# Altium PCB 891-萱250721-1.pcbdoc (part 1 of 5)
Units mil, origin at the board's own origin, x right, y up, seen from the top; angles counter-clockwise.
Board outline 6501 x 4678 mil, 4 copper layers (TopLayer, MidLayer1, MidLayer2, BottomLayer); 362 components, 337 nets, 1348 pads, 1372 vias.
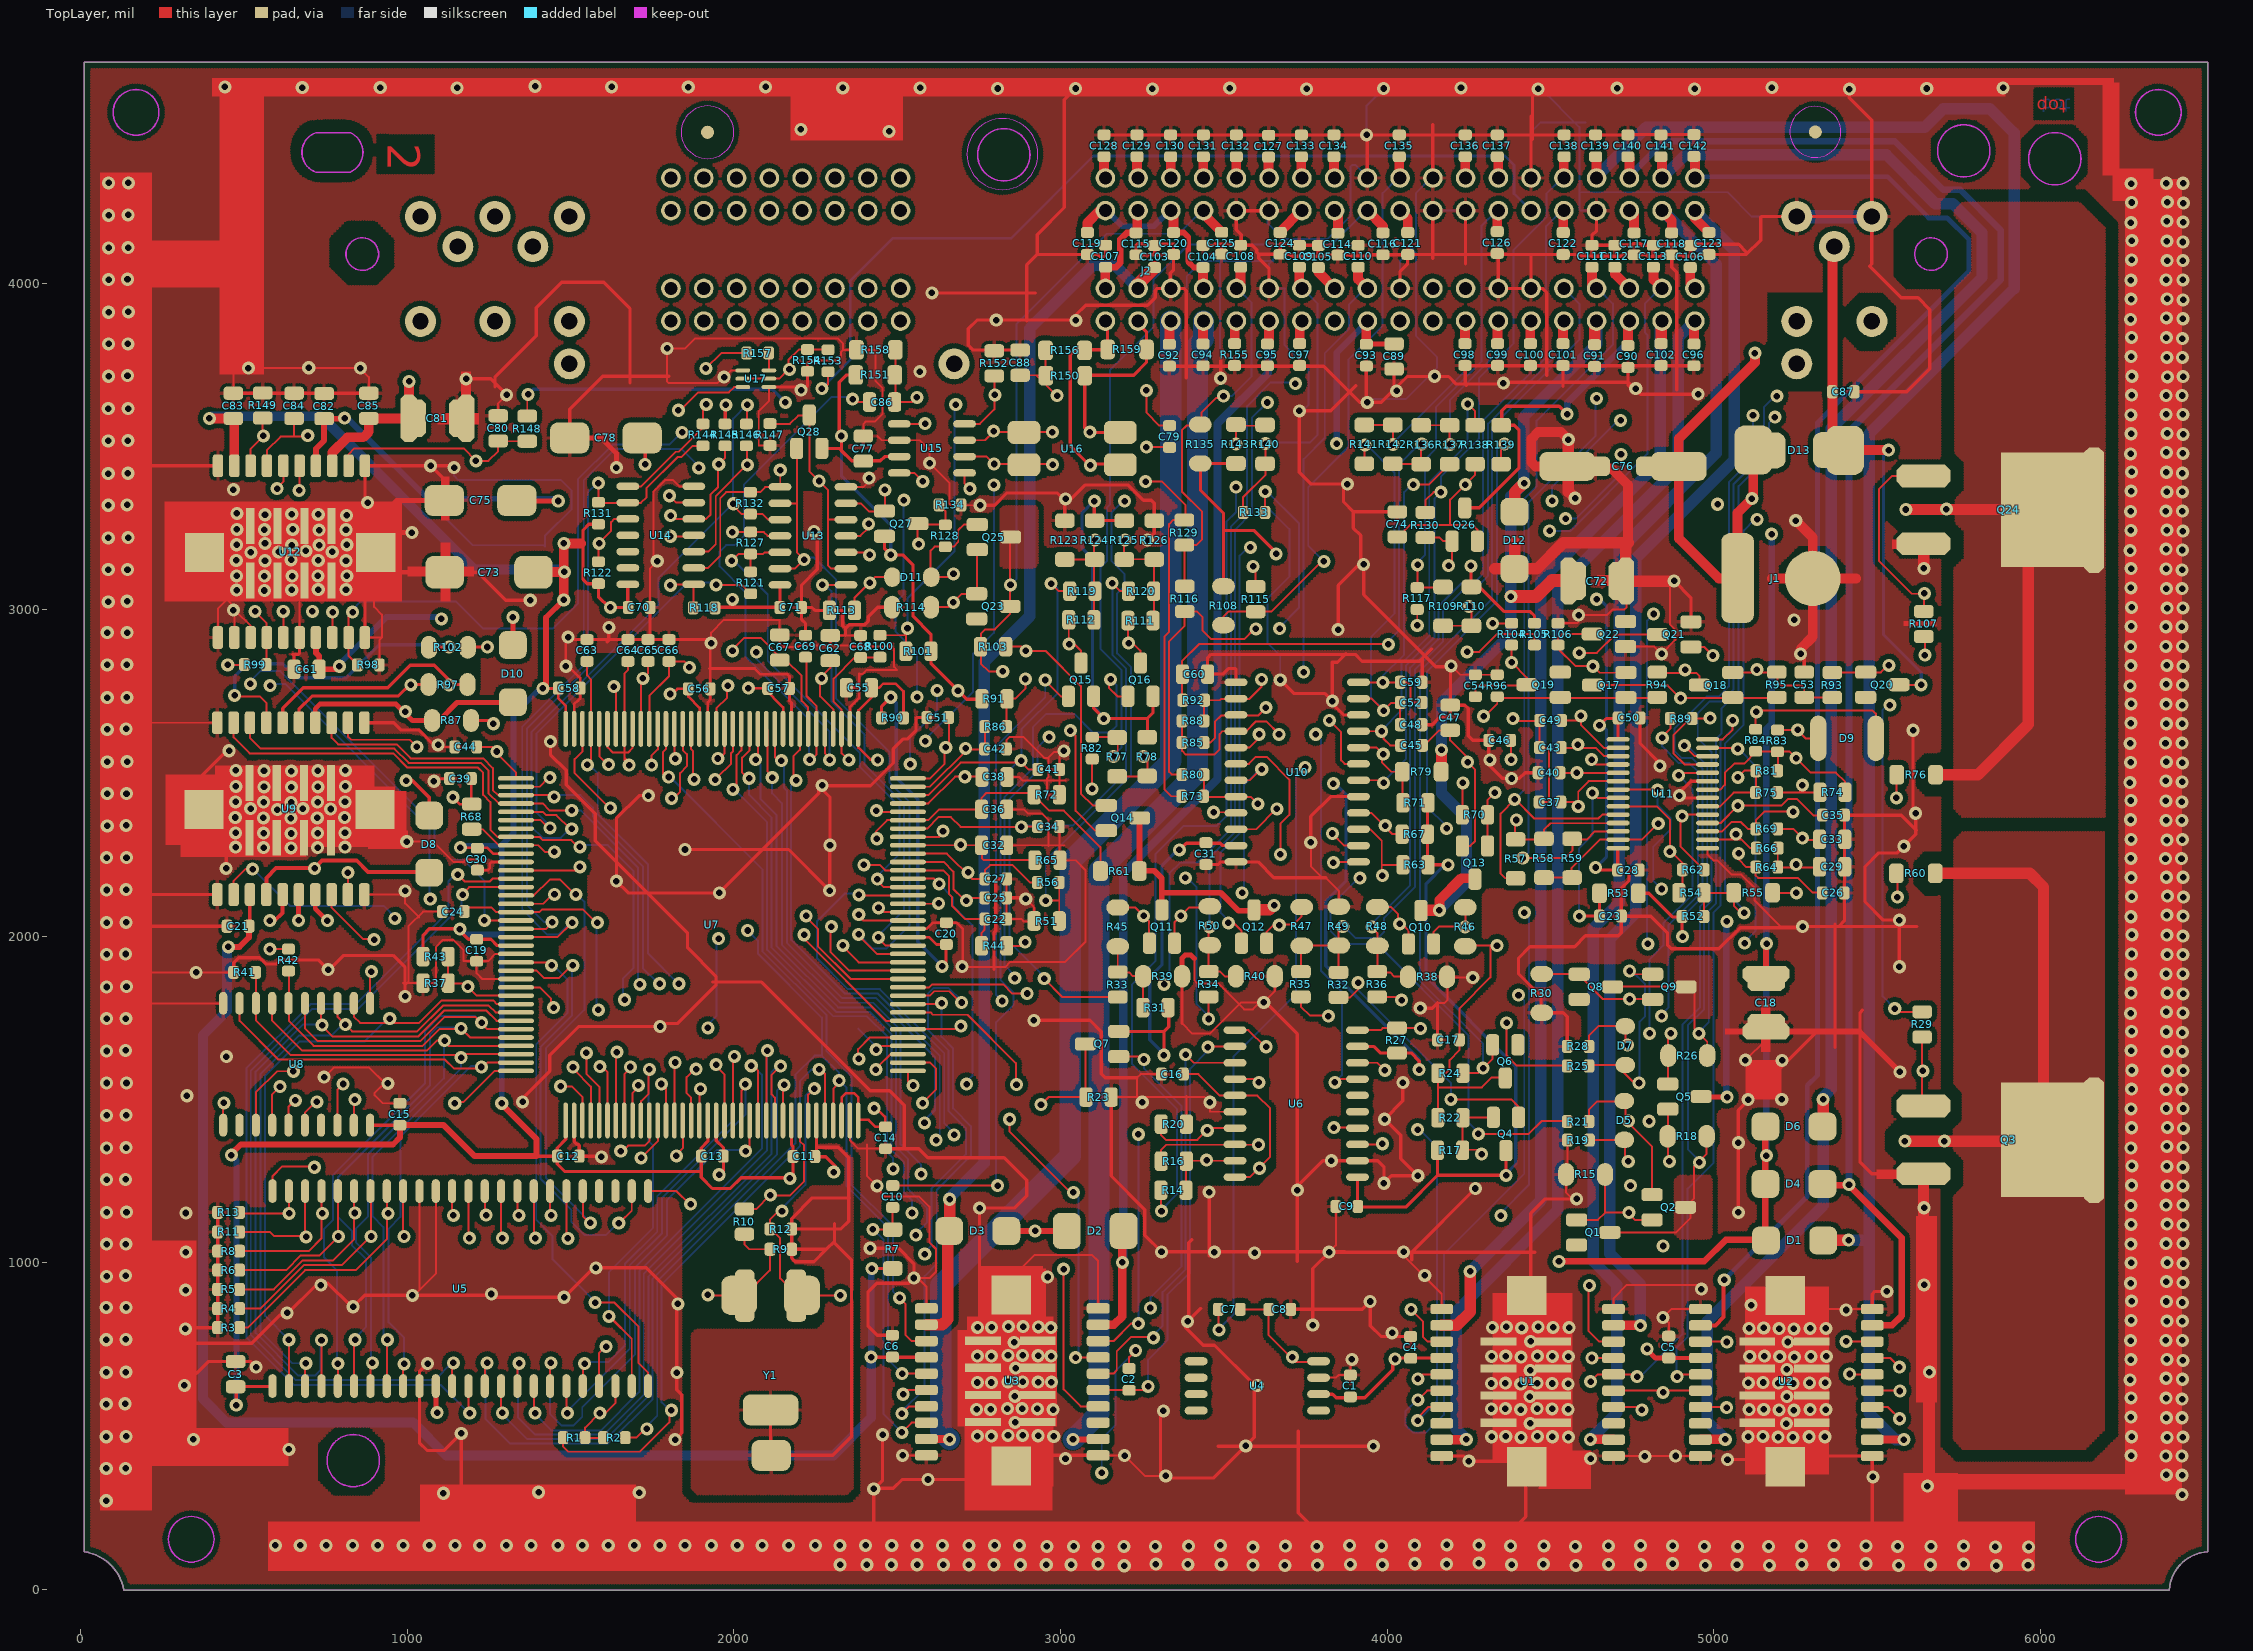
[diagram p0: TopLayer view]
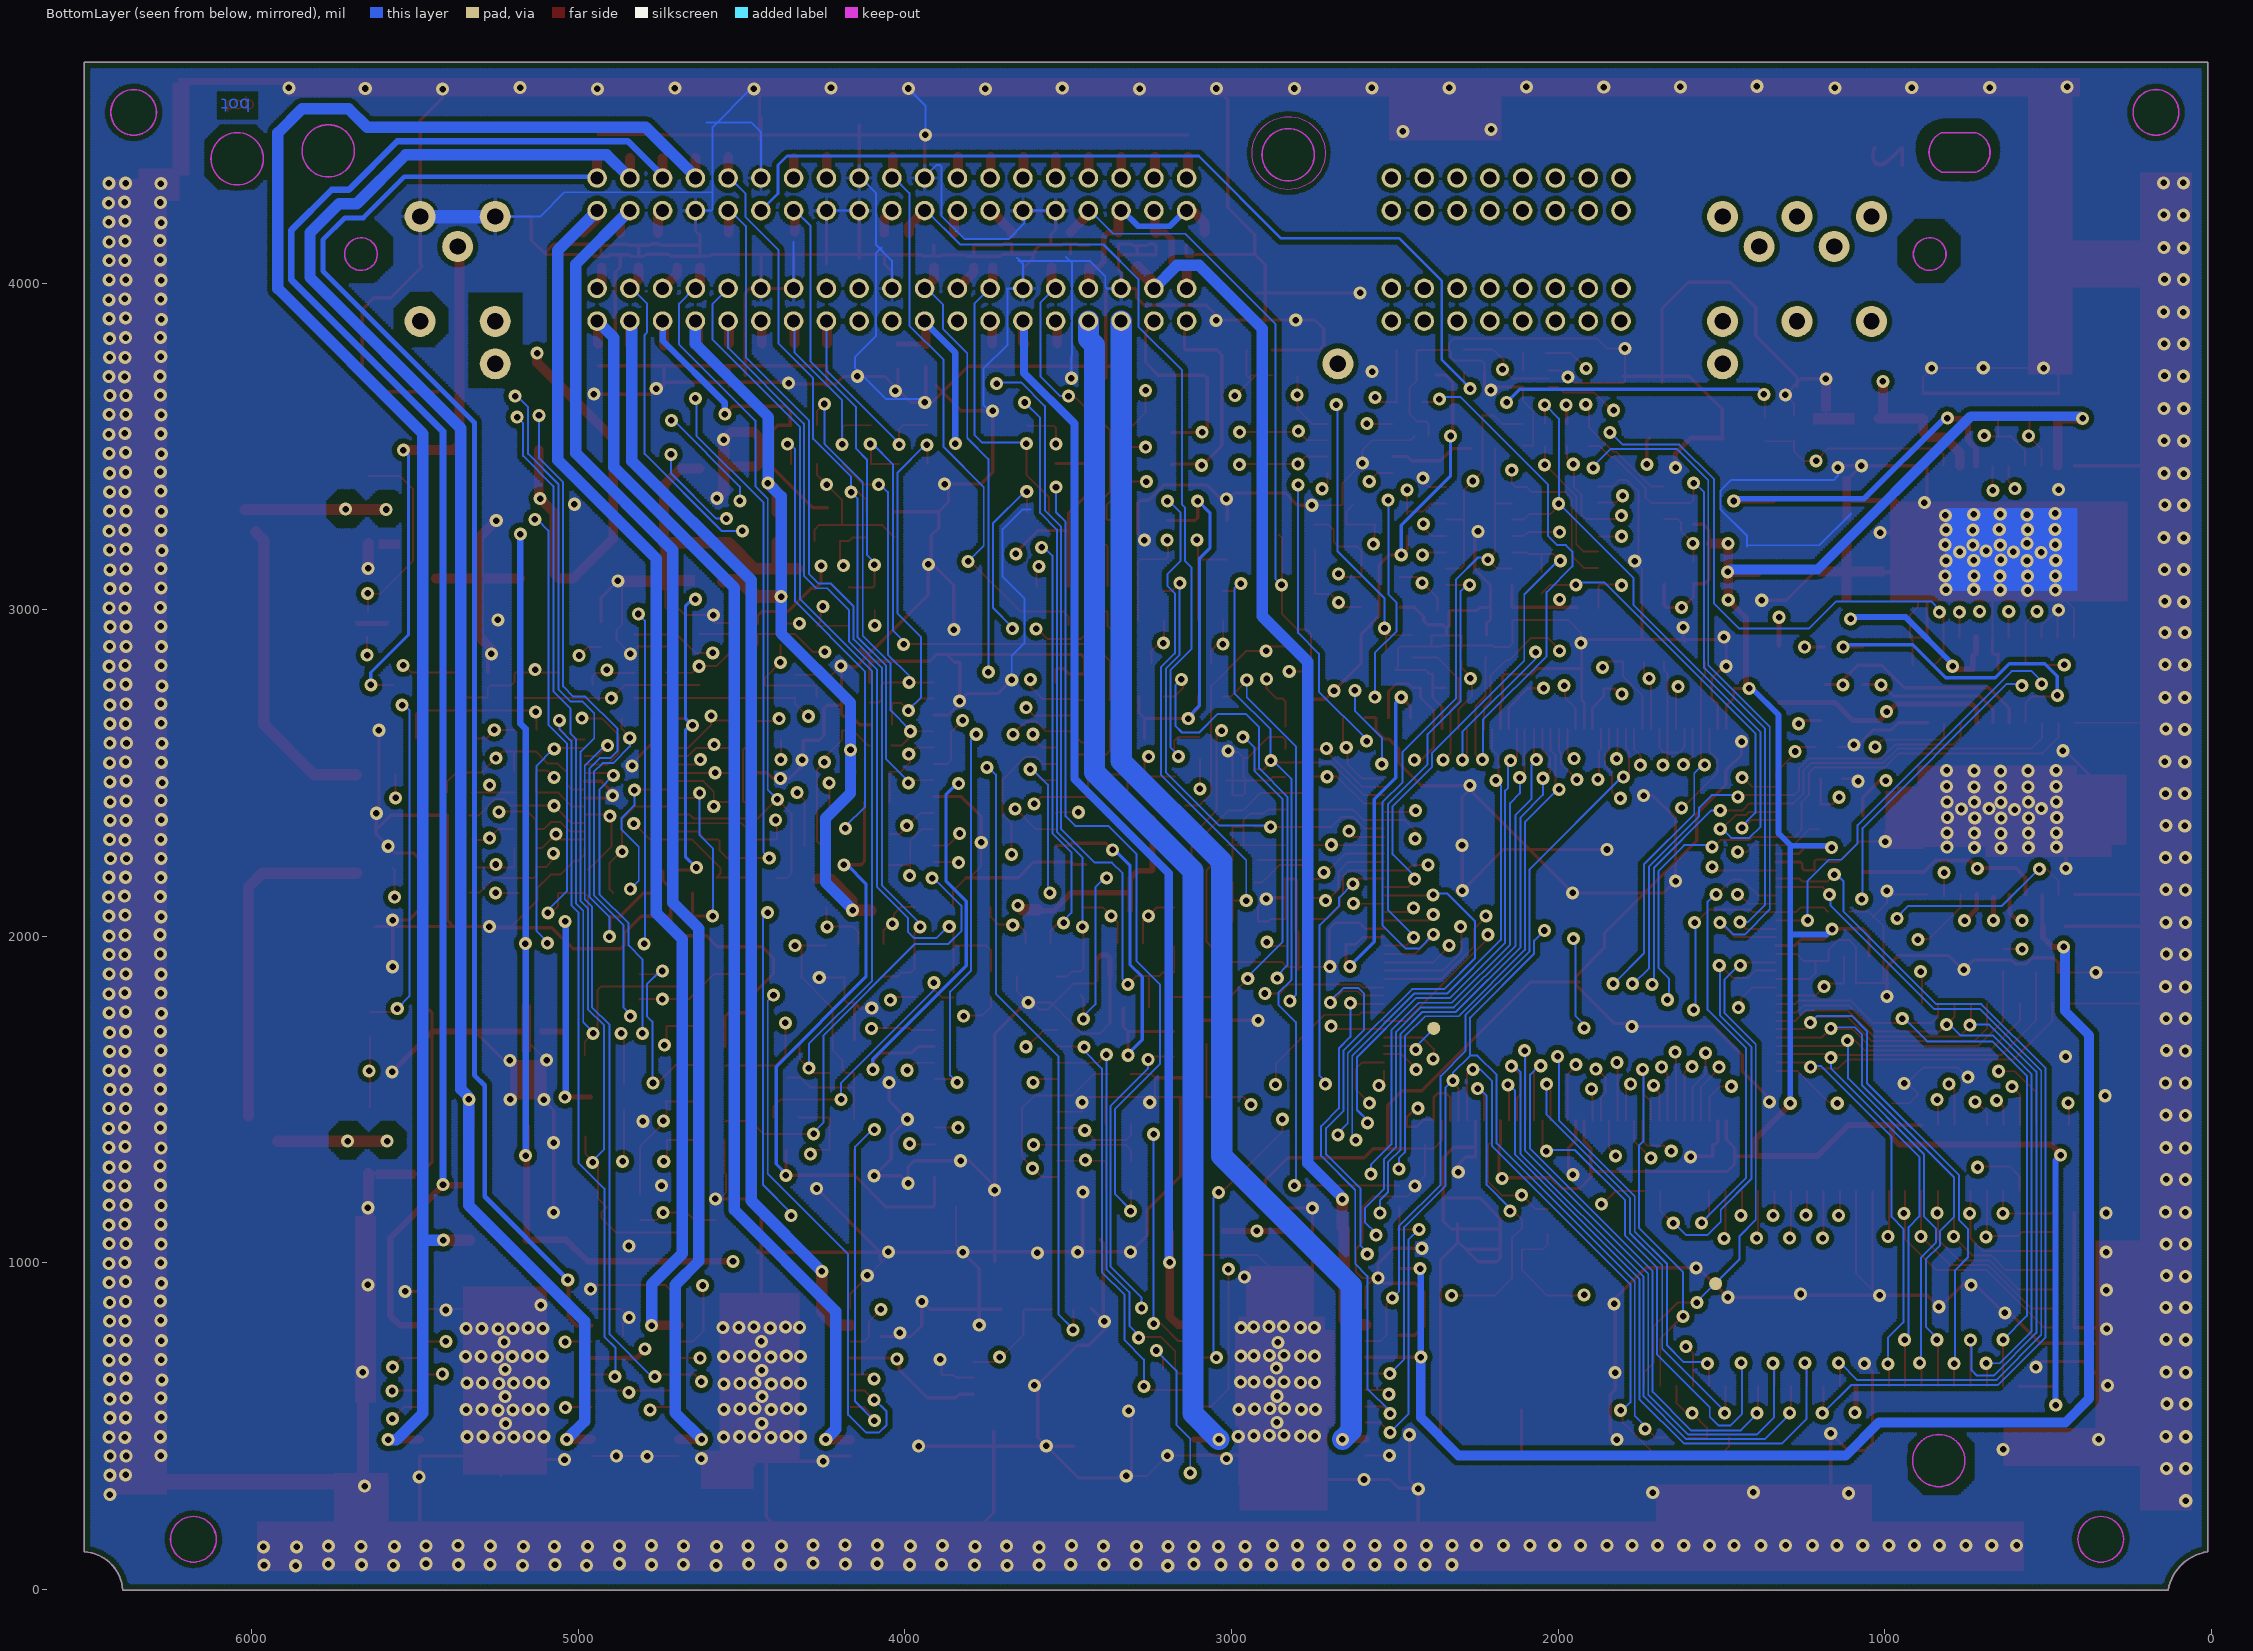
[diagram p1: BottomLayer view, seen from below]
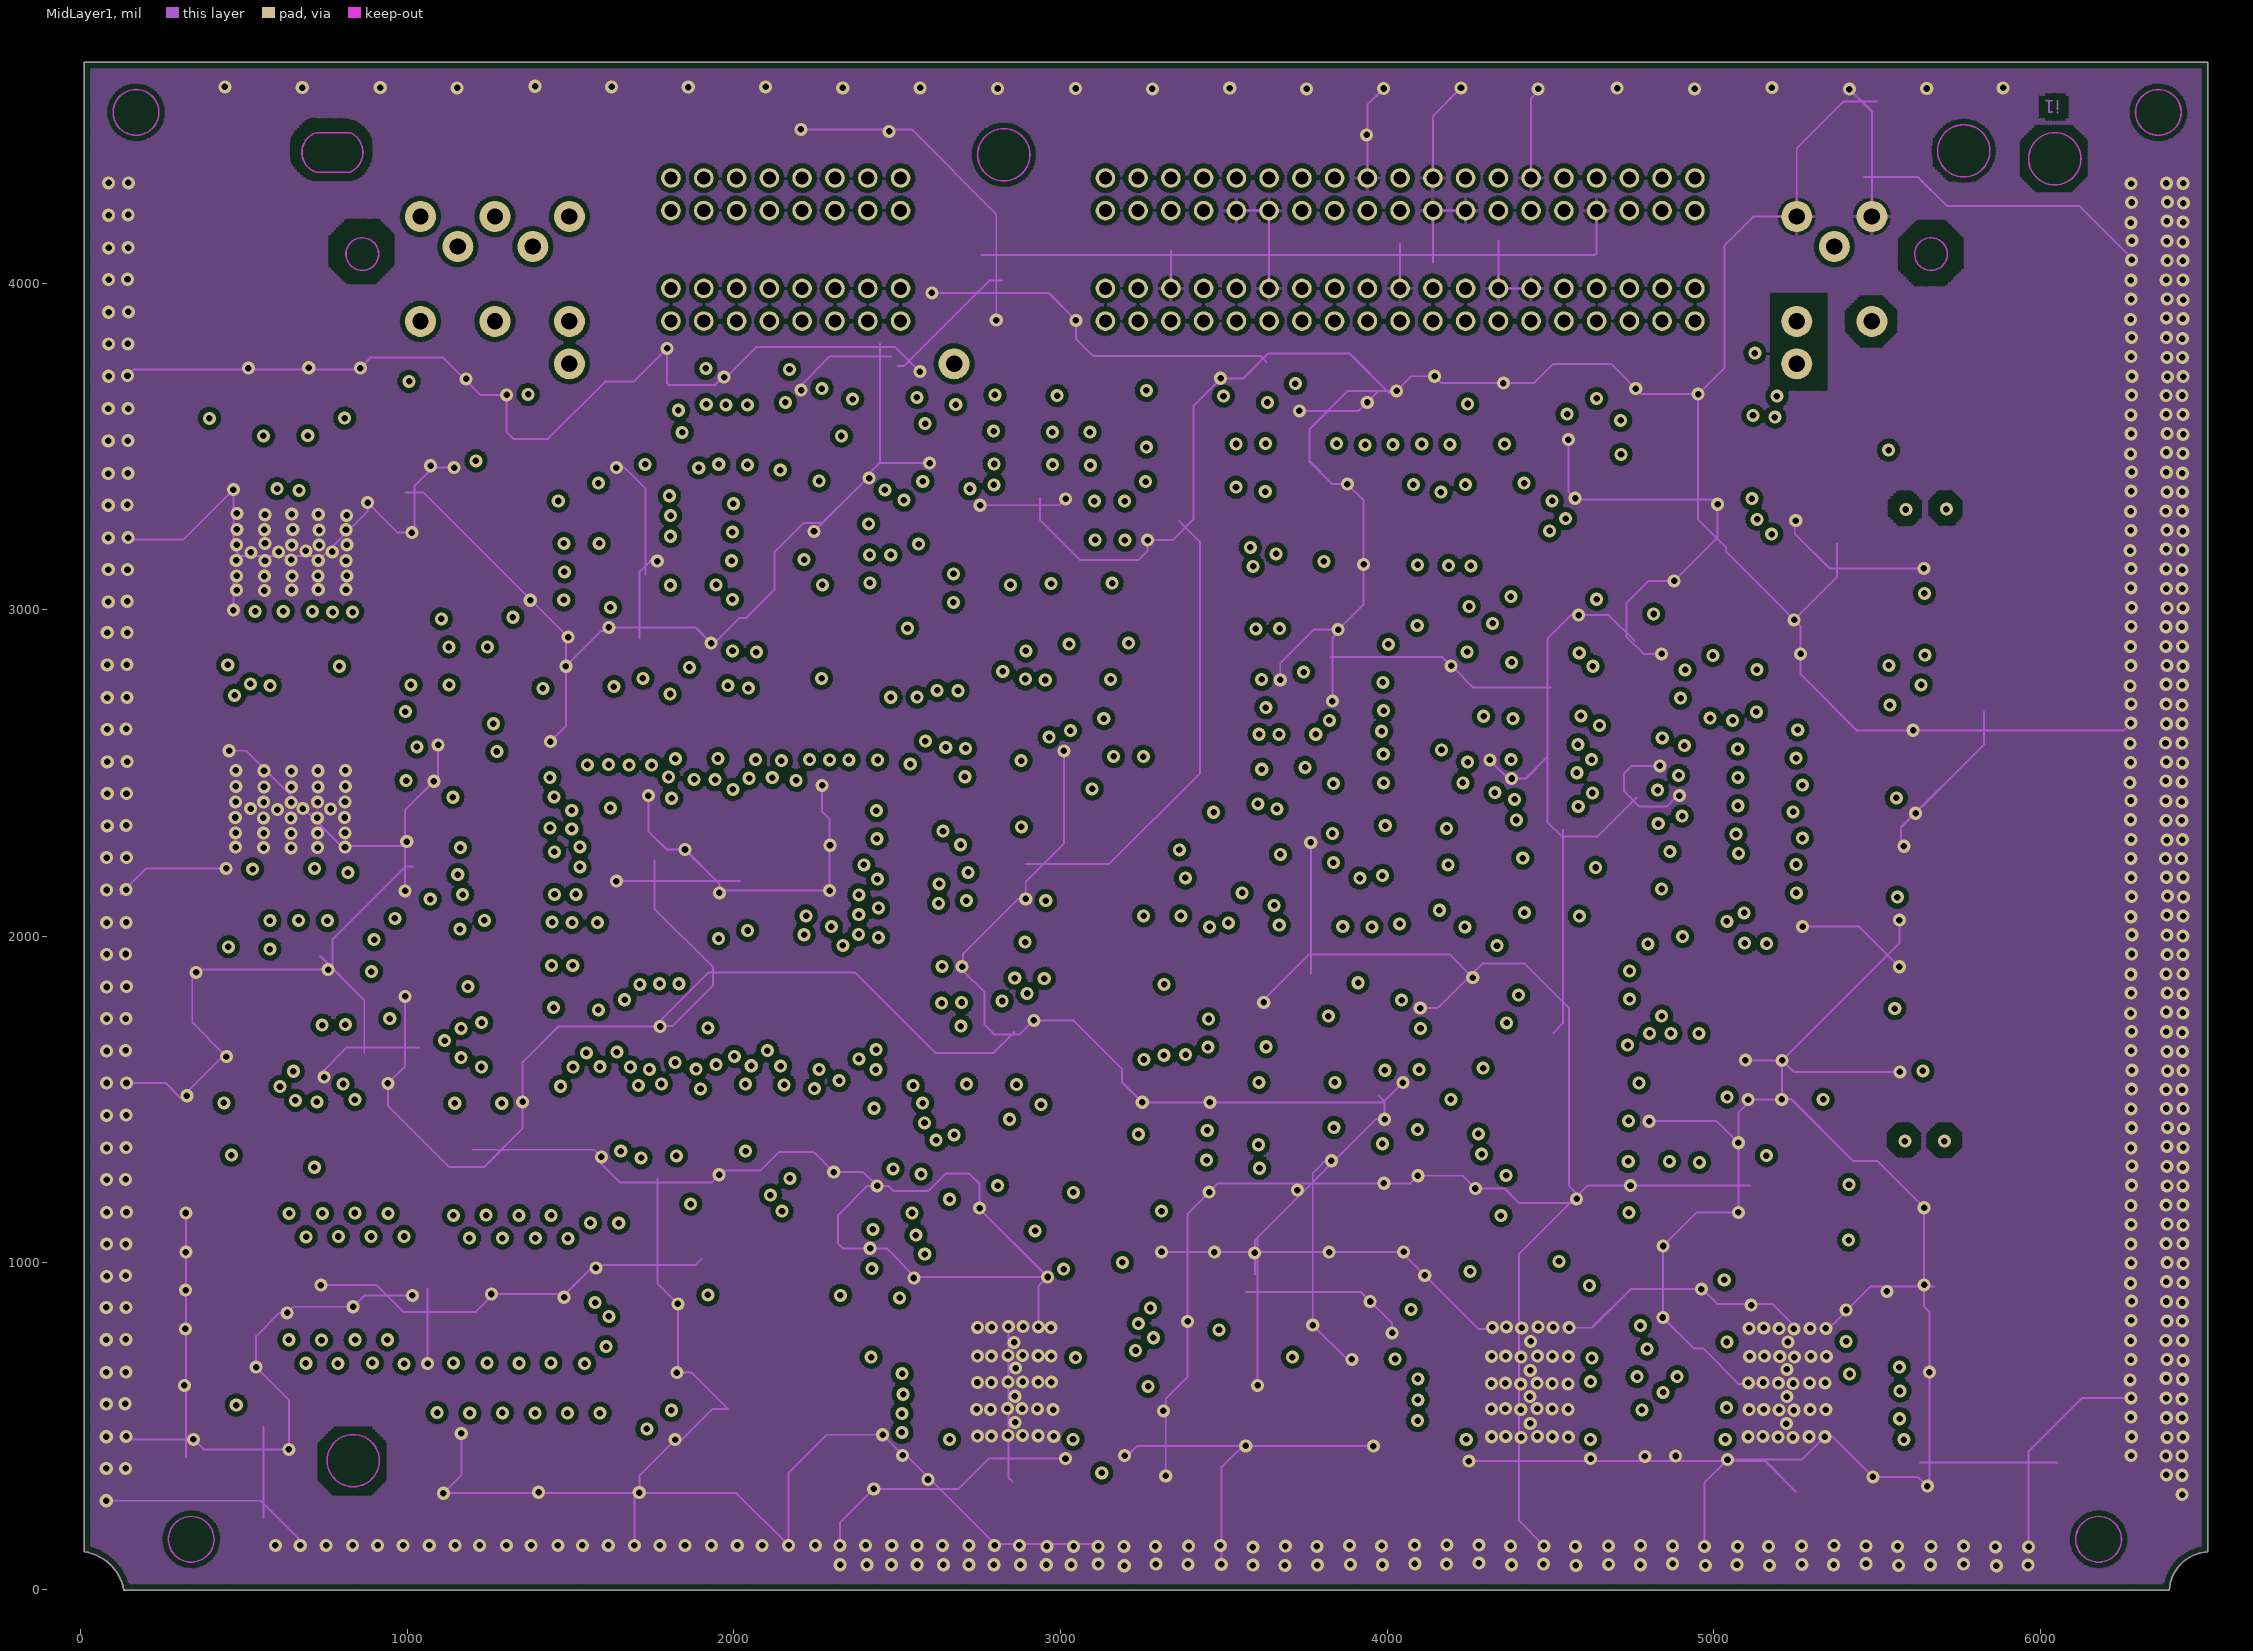
[diagram p2: MidLayer1]
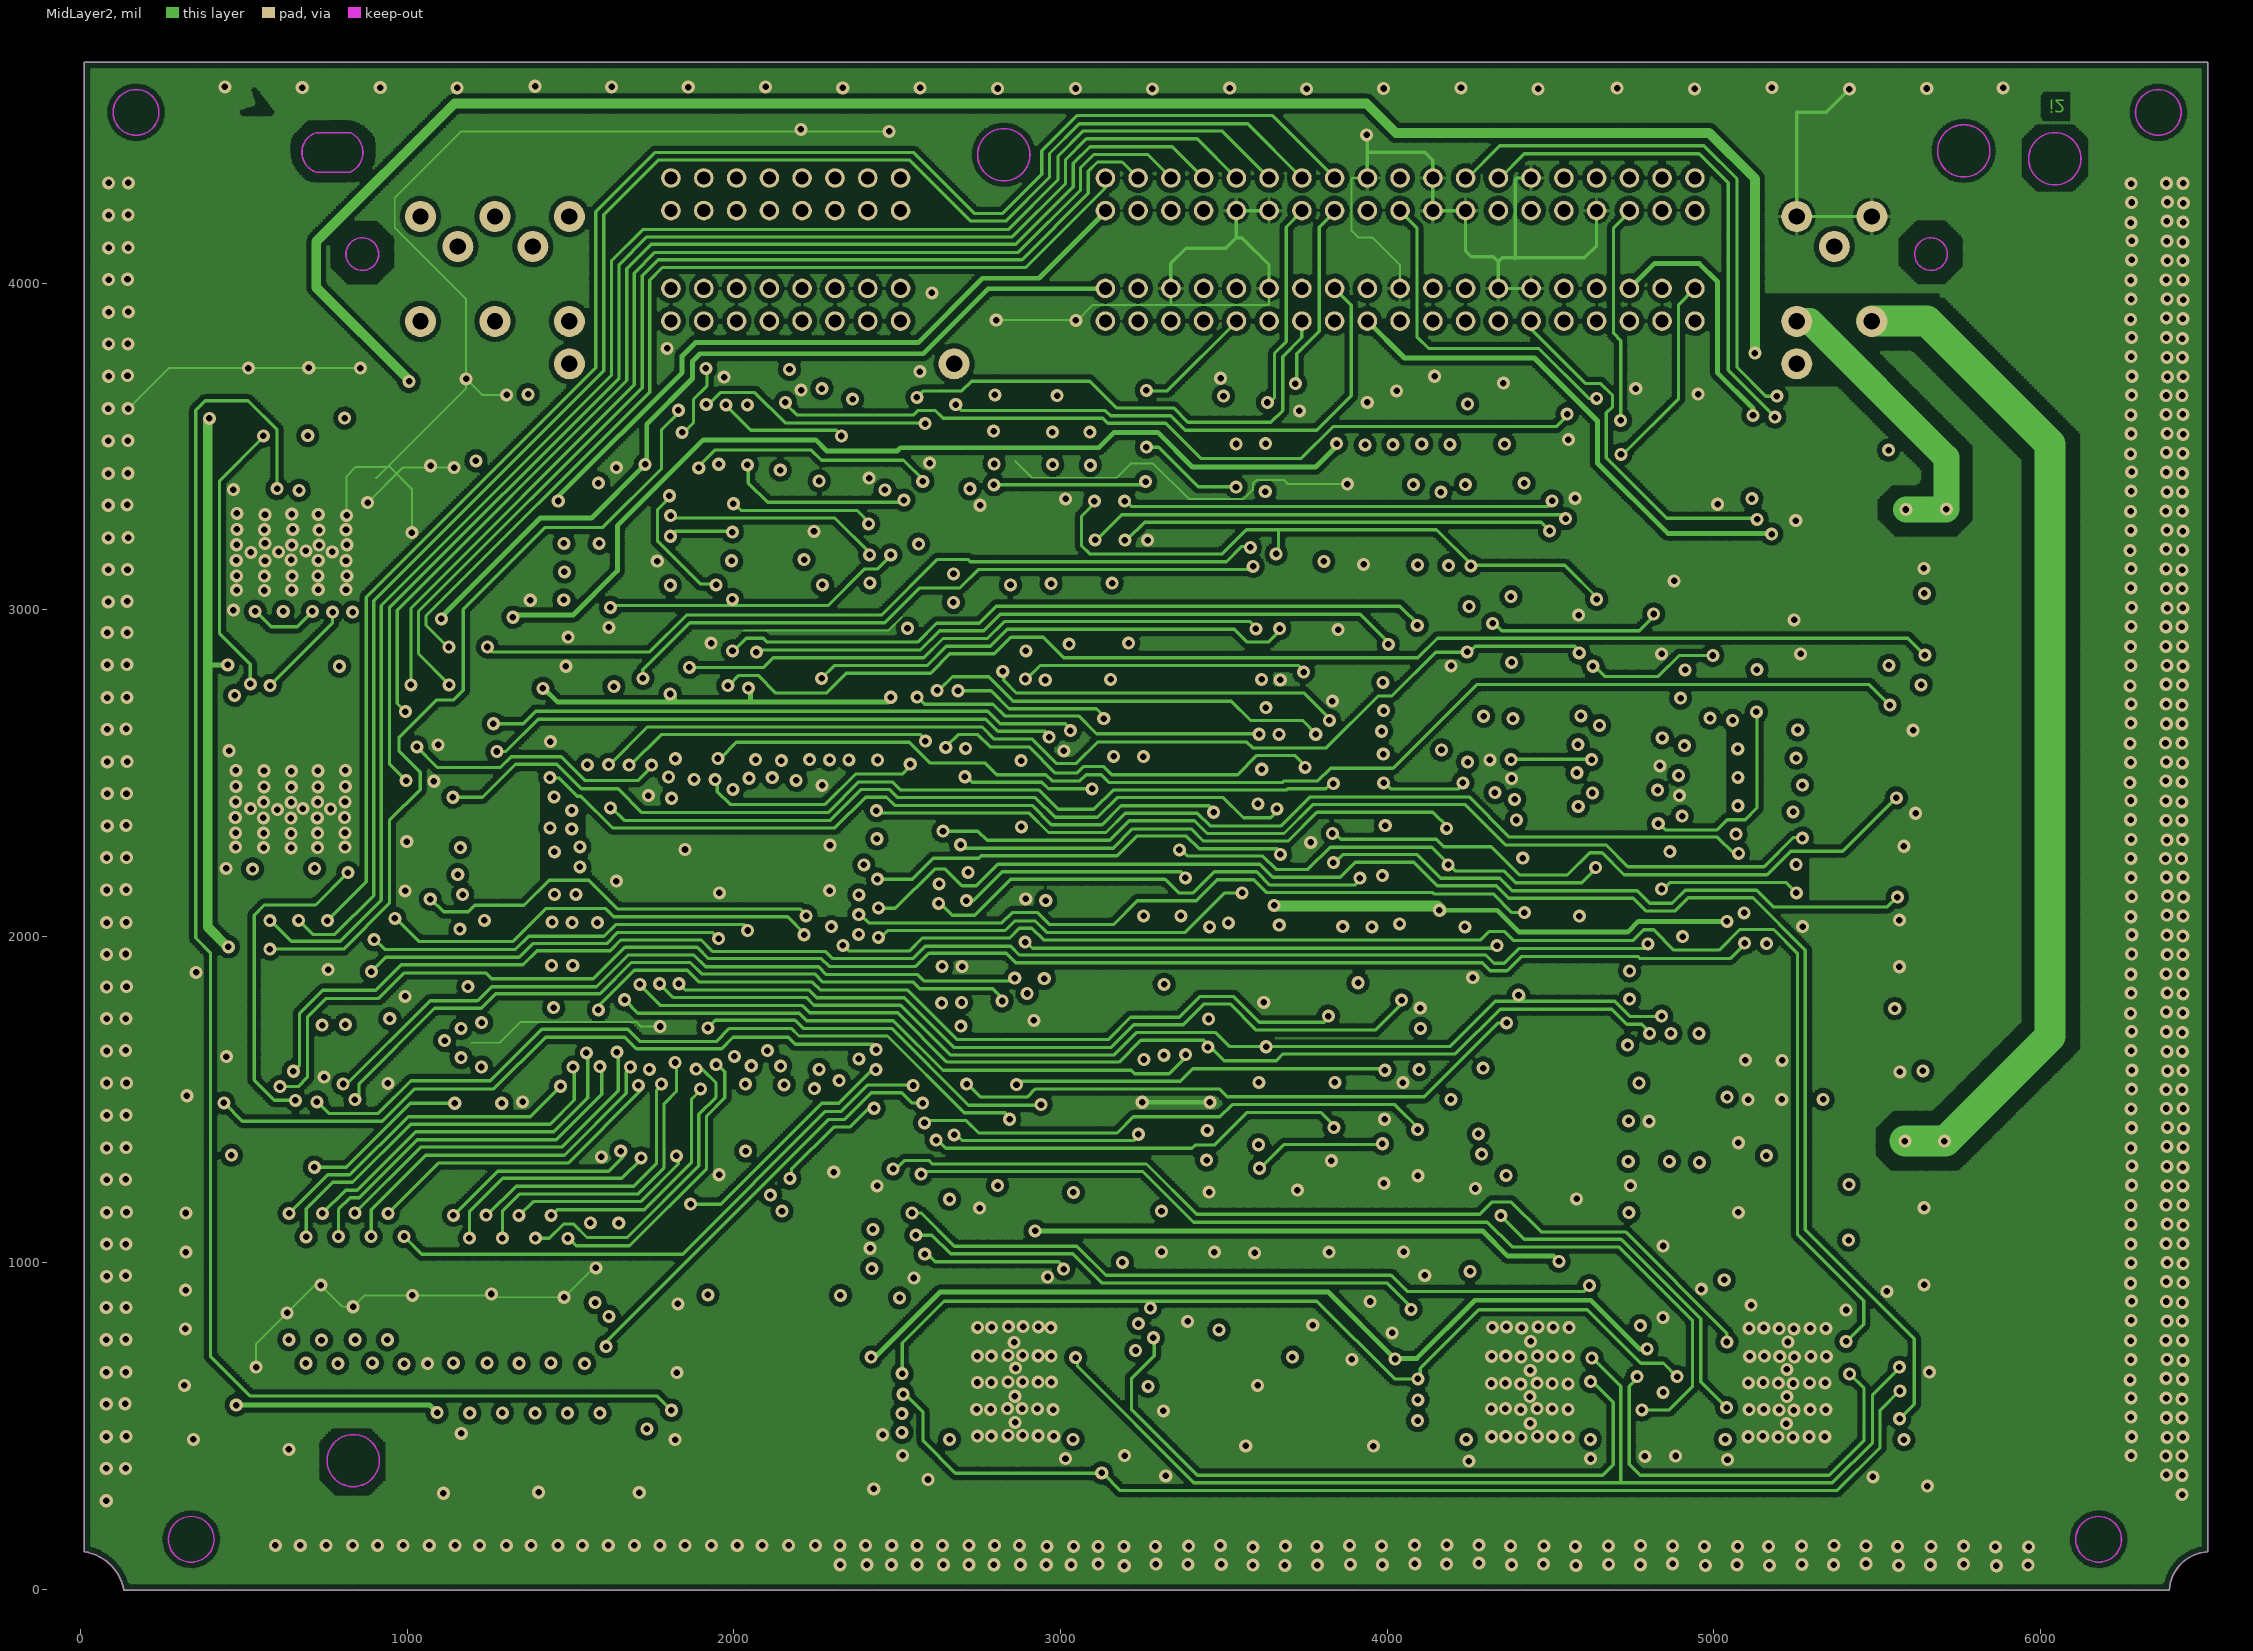
[diagram p3: MidLayer2]

## Layer stack, top to bottom
TopLayer: signal copper 1.4
Dielectric: core 12.6, FR-4, Dk 4.8
MidLayer1: signal copper 1.4
Dielectric: prepreg 12.6, FR-4, Dk 4.8
MidLayer2: signal copper 1.4
Dielectric: core 12.6, FR-4, Dk 4.8
BottomLayer: signal copper 1.4

## Board outline
11,115.79 cw(c-10.09,-26.92) 132,-2 6394.21,-2 cw(c6520.5,-10.5) 6512,115.79 6512,4676 11,4676
